# Altium PCB PCB1.pcbdoc (part 3 of 3)
Units mil, origin at the board's own origin, x right, y up, seen from the top; angles counter-clockwise.
Board outline 13400.91 x 6761.77 mil, 2 copper layers (Top Layer, Bottom Layer); 395 components, 233 nets, 925 pads, 452 vias.
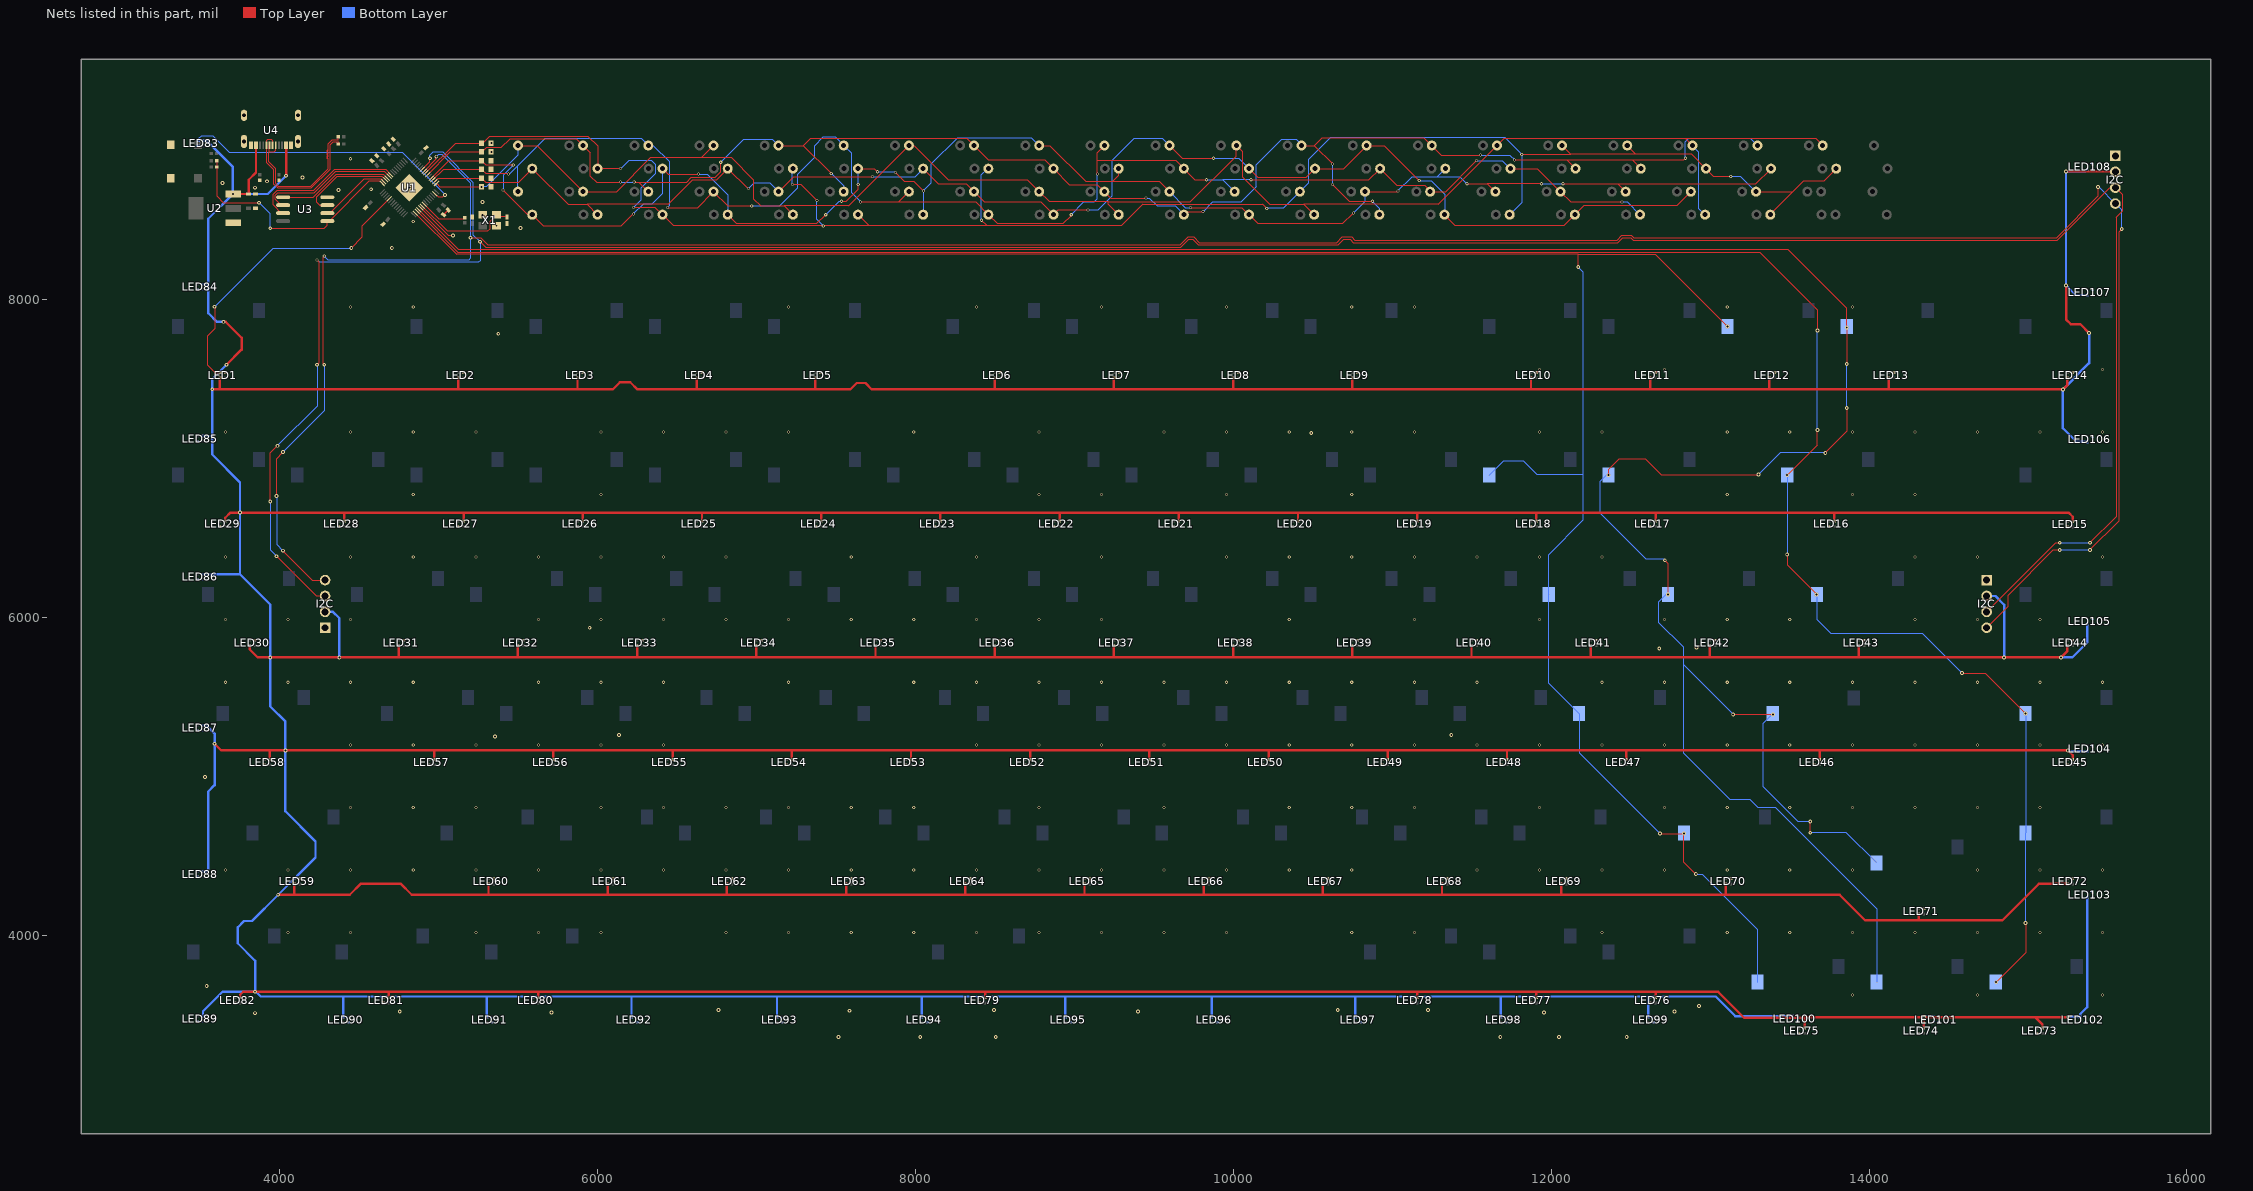
[diagram p3: the nets of this part, all layers, seen from the top]

## Via types
v1: diameter 19.68, hole 11.81, Top Layer to Bottom Layer, 279 vias
v2: diameter 24.02, hole 12.01, Top Layer to Bottom Layer, 172 vias
v3: diameter 24.02, hole 11.81, Top Layer to Bottom Layer, 1 vias

## Nets (pads, with @x,y where several pads share a name; then routed paths per layer and width w, separated by ;. In a path a pad name is that pad's centre, name@x,y a point inside that pad or via, vN(x,y) a via of type N, cw(c..) or ccw(c..) an arc to the next point about the centre after c; other vN are vias at no path point) (continued)
C12: SW13.1 SW26.1 SW40.1 SW53.1 SW67.1 SW82.1 U1.16 | length 14570.3
  Top Layer w5: U1.16@4852.58,8542.71 5112.5,8282.79 12169.48,8282.79 ; v2(12170,8202.79) 12170,8282.27 12169.48,8282.79 ; v2(12685,4638.73) v2(12835,4638.73) 12835,4458.73 v2(12910,4383.73) ; v2(13110,7828.73) 12655.94,8282.79 12169.48,8282.79
  Bottom Layer w5: SW26.1@11610.08,6893.73 11700.08,6983.73 11825,6983.73 11910,6898.73 12199.72,6898.73 12200,6899.01 ; SW40.1@11985.08,6143.73 SW40.1@11980,6148.81 ; v2(12170,8202.79) 12200,8172.79 12200,6899.01 ; v2(12685,4638.73) 12175.08,5148.65 SW53.1@12175.08,5393.73 11980,5588.81 SW40.1@11980,6148.81 ; v2(12835,4638.73) 12835.08,4638.81 SW67.1@12835.08,4643.73 ; v2(12910,4383.73) 12950,4383.73 13297.39,4036.35 SW82.1@13297.39,3703.73 SW82.1@13300,3703.73 ; SW40.1@11980,6148.81 11980,6388.73 12200,6608.73 12200,6899.01
C13: SW14.1 SW27.1 SW41.1 SW54.1 SW68.1 SW80.1 U1.18 | length 18072
  Top Layer w5: U1.18@4874.86,8564.98 5127.05,8312.79 13490.94,8312.79 13860,7943.73 v2(13860,7823.73) v2(13860,7593.73) ; v2(12360,6893.73) 12360,6928.73 12425,6993.73 12595,6993.73 12695,6893.73 13300,6893.73 v2(13305,6898.73) ; v2(12715,6358.73) 12735,6338.73 v2(12735,6143.73) ; v2(13145,5388.73) v2(13395,5388.73) ; v2(13630,4643.73) v2(13630,4713.73) ; v2(13725,7033.73) 13860,7168.73 v2(13860,7317.02)
  Bottom Layer w5: v2(12360,6893.73) 12345,6893.73 12305,6853.73 12305,6658.73 12595,6368.73 12705,6368.73 v2(12715,6358.73) ; v2(12735,6143.73) 12725,6143.73 12675,6093.73 12675,5968.73 12830,5813.73 12830,5703.73 ; v2(13145,5388.73) 12830,5703.73 ; v2(13305,6898.73) 13440,7033.73 v2(13725,7033.73) ; v2(13395,5388.73) 13395,5391.61 SW54.1@13393.61,5393 13335,5334.39 13335,4933.73 13555,4713.73 v2(13630,4713.73) ; v2(13630,4643.73) 13857.64,4643.73 SW68.1@14047.64,4453.73 ; v2(13860,7317.02) v2(13860,7593.73) ; SW80.1@14047.47,3703.73 14047.47,4166.26 13410,4803.73 13300,4803.73 13250,4853.73 13125,4853.73 12830,5148.73 12830,5703.73
C14: SW28.1 SW42.1 SW55.1 SW69.1 SW81.1 U1.17 | length 14501.8
  Top Layer w5: U1.17@4863.72,8553.84 5119.77,8297.79 13310.94,8297.79 13675,7933.73 v2(13675,7804.56) ; v2(13485,6394.05) 13485,6328.73 v2(13670,6143.73) ; v2(13485,6893.73) 13675,7083.73 v2(13675,7178.06) ; v2(14585,5648.73) 14730,5648.73 v2(14985,5393.73) ; v2(14800,3703.73) 14985.08,3888.81 v2(14985.08,4075.08)
  Bottom Layer w5: v2(13485,6394.05) 13485.08,6394.13 SW28.1@13485.08,6893.73 v2(13485,6893.73) ; SW42.1@13672.28,6143.3 13671.85,6143.73 v2(13670,6143.73) 13670,5988.73 13760,5898.73 14335,5898.73 v2(14585,5648.73) ; v2(13675,7178.06) v2(13675,7804.56) ; SW81.1@14797.39,3703.73 v2(14800,3703.73) ; v2(14985.08,4075.08) SW69.1@14985.08,4643.73 SW55.1@14985.08,5393.73
DINPKRGB: LED1.4 U1.5 | length 1903.9
  Top Layer w5: v2(3590,7953.73) 3590,7813.73 3545,7768.73 3545,7588.73 3595,7538.73 3621.54,7538.73 LED1.4@3623.27,7540.46 ; v2(4450,8322.79) 4520,8392.79 4520,8463.47 U1.5@4688.33,8631.8
  Bottom Layer w5: v2(3590,7953.73) 3959.06,8322.79 v2(4450,8322.79)
DINUGRGB: LED83.4 U1.27 | length 1802.4
  Top Layer w5: U1.27@4975.07,8665.2 4995.67,8644.6 5026.81,8644.6 v2(5040,8657.79)
  Bottom Layer w5: LED83.4@3488.27,8999.52 3488.27,9011.06 3505,9027.79 3580,9027.79 3684.49,8923.3 4774.49,8923.3 v2(5040,8657.79)
DN: R14.2 U4.A7 U4.B7 | length 1001.9
  Top Layer w5: U4.A7@3935.16,8969.24 3935,8969.08 3935,8929.12 ; U4.B7@3974.53,8969.24 3974.53,8938.26 3965.39,8929.12 3935,8929.12 ; R14.2@4367.96,9022.79 4367.96,9005.54 4366.19,9003.77 4330.45,9003.77 4305,8978.32 4305,8942.56 cw(c4300,8942.56) 4300,8937.56 ccw(c4300,8932.56) 4300,8927.56 cw(c4300,8922.56) 4300,8917.56 ccw(c4300,8912.56) 4300,8907.56 cw(c4300,8902.56) 4300,8897.56 ccw(c4300,8892.56) 4300,8887.56 cw(c4300,8882.56) 4305,8882.56 4305,8822.79 4195,8712.79 3990.94,8712.79 3970.18,8733.56 3970.18,8824.09 3926.47,8867.79 3926.47,8920.59 3935,8929.12
DP: R13.2 U4.A6 U4.B6 | length 1007.2
  Top Layer w5: U4.A6@3954.84,8969.24 3954.84,8998.89 3950,9003.73 3920,9003.73 3915,8998.73 3915,8969.72 U4.B6@3915.47,8969.24 3915.47,8863.26 3959.19,8819.54 3959.19,8729.01 3986.4,8701.8 4199.55,8701.8 4315.98,8818.24 4315.98,8973.77 4335,8992.79 4366.19,8992.79 4367.96,8991.02 R13.2@4367.96,8977.79
GND: BOOTSEL.1 C16.2 C17.1 C18.2 C19.2 C20.1 C21.1 C22.1 C23.1 C25.1 C26.1 C27.1 C28.1 C31.1 C32.1 I2C.1 LED1.3 LED2.3 LED3.3 LED4.3 LED5.3 LED6.3 LED7.3 LED8.3 LED9.3 LED10.3 LED11.3 LED12.3 LED13.3 LED14.3 LED15.3 LED16.3 LED17.3 LED18.3 LED19.3 LED20.3 LED21.3 LED22.3 LED23.3 LED24.3 LED25.3 LED26.3 LED27.3 LED28.3 LED29.3 LED30.3 LED31.3 LED32.3 LED33.3 LED34.3 LED35.3 LED36.3 LED37.3 LED38.3 LED39.3 LED40.3 LED41.3 LED42.3 LED43.3 LED44.3 LED45.3 LED46.3 LED47.3 LED48.3 LED49.3 LED50.3 LED51.3 LED52.3 LED53.3 LED54.3 LED55.3 LED56.3 LED57.3 LED58.3 LED59.3 LED60.3 LED61.3 LED62.3 LED63.3 LED64.3 LED65.3 LED66.3 LED67.3 LED68.3 LED69.3 LED70.3 LED71.3 LED72.3 LED73.3 LED74.3 LED75.3 LED76.3 LED77.3 LED78.3 LED79.3 LED80.3 LED81.3 LED82.3 LED83.3 LED84.3 LED85.3 LED86.3 LED87.3 LED88.3 LED89.3 LED90.3 LED91.3 LED92.3 LED93.3 LED94.3 LED95.3 LED96.3 LED97.3 LED98.3 LED99.3 LED100.3 LED101.3 LED102.3 LED103.3 LED104.3 LED105.3 LED106.3 LED107.3 LED108.3 R6.1 R8.1 R9.1 R10.1 R11.1 R12.1 R21.1 R22.1 RST.1 U1.19 U1.57 U2.1 U3.4 U4.1 U4.2 U4.3 U4.4 U4.A1B12 U4.B1A12 X1.2 X1.4 | length 318.2
  Top Layer w5: U1.19@4885.99,8576.12 5059.32,8402.79 v2(5090,8402.79)
  Top Layer w10: C28.1@5030.17,8532.61 C32.1@5060.17,8562.61
  other v1: 13894.92,3622.43 14682.32,3622.43 15469.72,3622.43 4052.4,4016.14 4446.1,4016.14 5233.5,4016.14 5627.2,4016.14 6020.91,4016.14 6808.31,4016.14 7202.01,4016.14 7595.71,4016.14 7989.41,4016.14 8383.11,4016.14 8776.81,4016.14 9170.51,4016.14 9564.21,4016.14 9957.91,4016.14 10745.32,4016.14 11139.02,4016.14 12320.12,4016.14 13107.52,4016.14 13501.22,4016.14 13894.92,4016.14 14288.62,4016.14 14682.32,4016.14 15076.02,4016.14 15469.72,4016.14 3658.7,4409.84 4052.4,4409.84 4446.1,4409.84 4839.8,4409.84 5233.5,4409.84 5627.2,4409.84 6020.91,4409.84 6414.61,4409.84 6808.31,4409.84 7202.01,4409.84 7595.71,4409.84 7989.41,4409.84 8383.11,4409.84 8776.81,4409.84 9170.51,4409.84 9564.21,4409.84 9957.91,4409.84 10351.61,4409.84 10745.32,4409.84 11532.72,4409.84 11926.42,4409.84 12320.12,4409.84 12713.82,4409.84 13107.52,4409.84 13501.22,4409.84 13894.92,4409.84 14682.32,4409.84 15076.02,4409.84 15469.72,4409.84 4446.1,4803.54 4839.8,4803.54 5233.5,4803.54 6020.91,4803.54 6414.61,4803.54 6808.31,4803.54 7202.01,4803.54 7595.71,4803.54 7989.41,4803.54 8776.81,4803.54 9564.21,4803.54 10351.61,4803.54 10745.32,4803.54 11139.02,4803.54 11926.42,4803.54 12713.82,4803.54 13107.52,4803.54 13501.22,4803.54 13894.92,4803.54 14288.62,4803.54 14682.32,4803.54 15076.02,4803.54 4446.1,5197.24 4839.8,5197.24 5233.5,5197.24 5627.2,5197.24 6020.91,5197.24 6414.61,5197.24 8383.11,5197.24 8776.81,5197.24 9170.51,5197.24 9564.21,5197.24 9957.91,5197.24 10351.61,5197.24 10745.32,5197.24 11139.02,5197.24 11532.72,5197.24 11926.42,5197.24 12320.12,5197.24 12713.82,5197.24 13107.52,5197.24 13501.22,5197.24 13894.92,5197.24 14288.62,5197.24 14682.32,5197.24 15076.02,5197.24 15469.72,5197.24 3658.7,5590.94 4052.4,5590.94 4446.1,5590.94 4839.8,5590.94 5627.2,5590.94 6020.91,5590.94 6414.61,5590.94 7202.01,5590.94 7989.41,5590.94 8383.11,5590.94 8776.81,5590.94 9170.51,5590.94 9564.21,5590.94 9957.91,5590.94 10351.61,5590.94 10745.32,5590.94 11139.02,5590.94 11532.72,5590.94 12320.12,5590.94 12713.82,5590.94 13107.52,5590.94 13501.22,5590.94 13894.92,5590.94 14288.62,5590.94 14682.32,5590.94 15076.02,5590.94 15469.72,5590.94 3658.7,5984.64 4052.4,5984.64 4446.1,5984.64 5627.2,5984.64 6020.91,5984.64 6414.61,5984.64 6808.31,5984.64 7202.01,5984.64 7595.71,5984.64 7989.41,5984.64 8383.11,5984.64 8776.81,5984.64 9170.51,5984.64 10351.61,5984.64 11139.02,5984.64 11926.42,5984.64 12713.82,5984.64 13107.52,5984.64 13501.22,5984.64 14288.62,5984.64 14682.32,5984.64 15076.02,5984.64 15469.72,5984.64 3658.7,6378.34 4446.1,6378.34 4839.8,6378.34 5233.5,6378.34 5627.2,6378.34 6020.91,6378.34 6414.61,6378.34 6808.31,6378.34 7595.71,6378.34 8383.11,6378.34 9170.51,6378.34 9957.91,6378.34 10351.61,6378.34 10745.32,6378.34 11139.02,6378.34 11532.72,6378.34 11926.42,6378.34 12320.12,6378.34 14288.62,6378.34 14682.32,6378.34 15469.72,6378.34 4839.8,6772.04 6020.91,6772.04 8776.81,6772.04 9170.51,6772.04 9957.91,6772.04 10745.32,6772.04 13107.52,6772.04 13894.92,6772.04 14288.62,6772.04 3658.7,7165.74 4446.1,7165.74 4839.8,7165.74 5233.5,7165.74 6020.91,7165.74 6414.61,7165.74 6808.31,7165.74 7202.01,7165.74 7989.41,7165.74 8776.81,7165.74 9564.21,7165.74 9957.91,7165.74 10351.61,7165.74 10745.32,7165.74 11139.02,7165.74 11926.42,7165.74 12320.12,7165.74 13107.52,7165.74 13501.22,7165.74 13894.92,7165.74 14288.62,7165.74 14682.32,7165.74 15076.02,7165.74 15469.72,7165.74 11926.42,7559.44 12713.82,7559.44 15469.72,7559.44 4446.1,7953.14 4839.8,7953.14 7202.01,7953.14 8383.11,7953.14 9170.51,7953.14 9957.91,7953.14 10745.32,7953.14 11139.02,7953.14 13107.52,7953.14 13894.92,7953.14 4839.8,8490.9 4446.1,8884.6
  other v2: 7515,3358.73 8030,3358.73 8505,3358.73 11680,3358.73 12050,3358.73 12475,3358.73 3845,3508.73 5710,3513.73 11955,3513.73 4755,3518.73 9400,3518.73 12775,3518.73 7585,3523.73 6760,3528.73 8495,3528.73 10657.25,3528.73 11225,3528.73 12930,3553.73 3540,3678.73 3530,4993.73 5355,5248.73 6135,5258.73 11371.49,5258.73 12680,5803.73 12913.47,5808.73 5950,5933.73 10490,7158.73 5375,7783.73 4705,8322.79 5515,8448.73 5363.31,8463.34 5276.69,8532.24 5275,8613.73 4370,8687.79 4575,8692.79 3845,8702.79 4815,8702.79 3640,8732.79 3920,8742.79 4142.85,8767.79 5331.5,8927.79 5331.5,8982.79
QSPI_SCLK: U1.52 U3.6 | length 882
  Top Layer w5: U3.6@4021.02,8592.79 4009.57,8592.79 3968.23,8634.13 3968.23,8651.45 3984.57,8667.79 4215,8667.79 4350,8802.79 4659.32,8802.79 U1.52@4688.34,8773.78
QSPI_SD0: U1.53 U3.5 | length 726.7
  Top Layer w5: U3.5@4021.02,8642.79 4210,8642.79 4355,8787.79 4652.05,8787.79 U1.53@4677.2,8762.64
QSPI_SD1: U1.55 U3.2 | length 452.2
  Top Layer w5: U3.2@4298.98,8542.79 4315,8542.79 4530,8757.79 4637.5,8757.79 U1.55@4654.93,8740.36
QSPI_SD2: U1.54 U3.3 | length 606
  Top Layer w5: U3.3@4298.98,8592.79 4250,8592.79 4230,8612.79 4230,8642.79 4360,8772.79 4644.77,8772.79 U1.54@4666.06,8751.5
QSPI_SD3: U1.51 U3.7 | length 971.6
  Top Layer w5: U3.7@4021.02,8542.79 4009.57,8542.79 3955,8597.36 3955,8657.79 3980,8682.79 4210,8682.79 4342.81,8815.6 4668.78,8815.6 U1.51@4699.47,8784.91
QSPI_SS: R16.2 R17.1 U1.56 U3.1 | length 1544.5
  Top Layer w5: R16.2@3602.04,8872.79 R17.1@3602.04,8832.79 3602.04,8650.75 3645,8607.79 v2(3870,8607.79) ; v2(3940,8447.79) 4280,8447.79 4300,8467.79 4300,8491.77 U3.1@4298.98,8492.79 4310.43,8492.79 4560.43,8742.79 4630.24,8742.79 U1.56@4643.8,8729.23
  Bottom Layer w5: v2(3870,8607.79) 3940,8537.79 v2(3940,8447.79)
R1: D1.1 D7.1 D13.1 D20.1 D25.1 D35.1 D40.1 D45.1 D52.1 D61.1 D73.1 D76.1 D81.1 R6.2 U1.29 | length 11122.8
  Top Layer w5: U1.29@4986.22,8729.23 5007.66,8707.79 v1(5270,8707.79) R6.2@5270.34,8707.79 ; D1.1@5498.58,8967.79 5618.58,8967.79 D7.1@5908.58,8677.79 6119.86,8677.79 6334.86,8892.79 6653.58,8892.79 ; D13.1@6728.58,8967.79 6653.58,8892.79 ; D20.1@7228.58,8532.79 7173.58,8587.79 ; D40.1@9278.58,8532.79 9213.58,8597.79 9213.58,8612.79 ; D52.1@10508.58,8532.79 10443.58,8597.79 ; D73.1@12888.58,8967.79 12843.58,9012.79 ; D81.1@13708.58,8967.79 13663.58,9012.79 12843.58,9012.79 ; 6653.58,8892.79 6840.37,8892.79 6980,8753.16 6980,8632.79 7025,8587.79 7173.58,8587.79 ; 7173.58,8587.79 7578.58,8587.79 D25.1@7958.58,8967.79 7992.57,8967.79 8207.58,8752.79 8703.58,8752.79 D35.1@8778.58,8677.79 8843.58,8612.79 9213.58,8612.79 ; 9213.58,8612.79 9730,8612.79 10018.58,8901.37 D45.1@10018.58,8967.79 10055,8931.37 10055,8772.79 10230,8597.79 10443.58,8597.79 ; 10443.58,8597.79 11288.58,8597.79 D61.1@11658.58,8967.79 11703.58,9012.79 12843.58,9012.79
  Bottom Layer w5: v1(5270,8707.79) 5300,8707.79 5498.58,8906.37 D1.1@5498.58,8967.79 ; D73.1@12888.58,8967.79 12930,8926.37 12930,8571.37 D76.1@12968.58,8532.79
R2: D2.1 D8.1 D14.1 D19.1 D26.1 D31.1 D36.1 D41.1 D46.1 D50.1 D53.1 D60.1 D68.1 D75.1 R8.2 U1.30 | length 9396.5
  Top Layer w5: U1.30@4975.08,8740.37 4997.5,8762.79 R8.2@5270.34,8762.79 ; R8.2@5270.23,8762.18 5297.83,8734.57 5500.36,8734.57 D2.1@5588.58,8822.79 5813.58,8597.79 5933.58,8597.79 ; D8.1@5998.58,8532.79 5933.58,8597.79 ; v1(6950,8697.79) 6943.58,8697.79 D14.1@6818.58,8822.79 6748.58,8752.79 6600,8752.79 6445,8597.79 5933.58,8597.79 ; D19.1@7138.58,8677.79 7233.58,8772.79 v1(7730,8772.79) ; D26.1@8048.58,8822.79 8143.58,8727.79 8318.58,8727.79 D31.1@8368.58,8677.79 8433.58,8612.79 8788.58,8612.79 D36.1@8868.58,8532.79 8898.58,8562.79 v1(9085,8562.79) ; D41.1@9598.58,8967.79 9678.58,8887.79 v1(9875,8887.79) ; D46.1@10098.58,8822.79 10153.58,8767.79 10460,8767.79 10513.58,8821.37 D50.1@10513.58,8822.79 10693.58,8822.79 D53.1@10838.58,8967.79 10950,8967.79 v1(11170,8747.79) ; D60.1@11328.58,8532.79 11393.58,8467.79 12083.58,8467.79 D68.1@12148.58,8532.79 12208.58,8592.79 12793.58,8592.79 D75.1@12878.58,8677.79
  Bottom Layer w5: v1(6950,8697.79) 6985,8732.79 7083.58,8732.79 D19.1@7138.58,8677.79 ; v1(7730,8772.79) 7998.58,8772.79 D26.1@8048.58,8822.79 ; v1(9085,8562.79) 9150,8562.79 9235,8647.79 9235,8872.79 9375,9012.79 9553.58,9012.79 D41.1@9598.58,8967.79 ; v1(9875,8887.79) 10033.58,8887.79 D46.1@10098.58,8822.79 ; v1(11170,8747.79) 11245,8747.79 11330,8662.79 11330,8534.21 D60.1@11328.58,8532.79
R3: D3.1 D9.1 D15.1 D21.1 D27.1 D32.1 D37.1 D42.1 D47.1 D54.1 D59.1 D62.1 D67.1 D72.1 R9.2 U1.31 | length 9960.6
  Top Layer w5: U1.31@4963.94,8751.51 5030.23,8817.79 R9.2@5270.34,8817.79 ; R9.2@5271.66,8816.43 5298.31,8789.79 5438,8789.79 v1(5440,8787.79) ; v1(6440,8577.79) 6628.58,8577.79 D15.1@6728.58,8677.79 6818.58,8587.79 v1(6970,8587.79) ; v1(7655,8612.79) 7893.58,8612.79 ; D27.1@7958.58,8677.79 7893.58,8612.79 ; v1(8980,8532.79) 8980,8527.79 8930,8477.79 8513.58,8477.79 D32.1@8458.58,8532.79 8378.58,8612.79 7893.58,8612.79 ; v1(9145,8787.79) 9145,8874.5 ; D37.1@9188.58,8967.79 9145,8924.21 9145,8874.5 ; v1(9830,8752.79) 9758.58,8752.79 D42.1@9688.58,8822.79 9636.87,8874.5 9145,8874.5 ; v1(10110,8752.79) 10853.58,8752.79 D54.1@10923.58,8822.79 11028.58,8717.79 11205,8717.79 11238.58,8684.21 D59.1@11238.58,8677.79 11335,8677.79 v1(11530,8872.79) ; D62.1@11743.58,8822.79 11913.58,8822.79 D67.1@12058.58,8677.79 12123.58,8612.79 v1(12445,8612.79)
  Bottom Layer w5: v1(5440,8787.79) 5445,8787.79 5498.58,8841.37 ; D3.1@5498.58,8677.79 5498.58,8841.37 ; v1(6440,8577.79) 6450,8587.79 6450,8867.79 6350,8967.79 D9.1@6318.58,8967.79 6273.58,9012.79 5670,9012.79 5498.58,8841.37 ; v1(6970,8587.79) 7145,8587.79 7260,8702.79 7260,8787.79 7365,8892.79 7365,8967.79 7420,9022.79 7493.58,9022.79 D21.1@7548.58,8967.79 7595,8921.37 7595,8672.79 v1(7655,8612.79) ; v1(8980,8532.79) 9060,8612.79 9125,8612.79 9145,8632.79 v1(9145,8787.79) ; v1(9830,8752.79) 9933.58,8752.79 ; D47.1@10008.58,8677.79 9933.58,8752.79 ; v1(10110,8752.79) 9933.58,8752.79 ; v1(11530,8872.79) 11693.58,8872.79 D62.1@11743.58,8822.79 ; v1(12445,8612.79) 12478.58,8612.79 D72.1@12558.58,8532.79
R4: D4.1 D10.1 D16.1 D22.1 D28.1 D33.1 D38.1 D43.1 D48.1 D55.1 D58.1 D63.1 D71.1 D78.1 R10.2 U1.32 | length 10673.8
  Top Layer w5: U1.32@4952.81,8762.65 5062.95,8872.79 R10.2@5270.34,8872.79 ; R10.2@5271.38,8871.96 5298.22,8845.12 v1(5468.69,8845.14) ; v1(5405,8687.79) 5560,8532.79 D4.1@5588.58,8532.79 5658.58,8462.79 6150,8462.79 v1(6225,8537.79) ; D10.1@6408.58,8822.79 6443.58,8787.79 v1(6635,8787.79) ; D16.1@6818.58,8532.79 6873.58,8477.79 7380,8477.79 v1(7435,8532.79) ; v1(7535,8617.79) 7565,8617.79 7640,8692.79 v1(7640,8722.79) ; D22.1@7638.58,8822.79 7740,8822.79 v1(7760,8802.79) ; v1(7875,8797.79) 7930,8742.79 7990,8742.79 v1(8050,8682.79) ; D33.1@8778.58,8967.79 8845,8967.79 9070,8742.79 9240,8742.79 ; D38.1@9278.58,8822.79 9278.58,8781.37 9240,8742.79 ; D43.1@9598.58,8677.79 9533.58,8742.79 9240,8742.79 ; v1(9730,8577.79) 10053.58,8577.79 D48.1@10098.58,8532.79 10153.58,8477.79 10690,8477.79 v1(10755,8542.79) ; D55.1@10828.58,8677.79 11030,8677.79 v1(11035,8682.79) ; v1(11470,8727.79) 11598.58,8727.79 ; D63.1@11648.58,8677.79 11598.58,8727.79 ; v1(11940,8727.79) 11598.58,8727.79 ; v1(12075,8727.79) 12418.58,8727.79 ; D71.1@12468.58,8677.79 12418.58,8727.79 ; D78.1@13383.58,8822.79 13288.58,8727.79 12418.58,8727.79
  Bottom Layer w5: v1(5405,8687.79) 5405,8781.45 v1(5468.69,8845.14) ; v1(6225,8537.79) 6290,8602.79 6345,8602.79 6410,8667.79 6410,8821.37 D10.1@6408.58,8822.79 ; v1(6635,8787.79) 6690,8787.79 6820,8657.79 6820,8534.21 D16.1@6818.58,8532.79 ; v1(7435,8532.79) 7520,8617.79 v1(7535,8617.79) ; D22.1@7638.58,8822.79 7640,8821.37 v1(7640,8722.79) ; v1(7760,8802.79) 7870,8802.79 v1(7875,8797.79) ; D28.1@8048.58,8532.79 8050,8534.21 v1(8050,8682.79) 8100,8732.79 8100,8852.79 8265,9017.79 8728.58,9017.79 D33.1@8778.58,8967.79 ; D43.1@9598.58,8677.79 9698.58,8577.79 v1(9730,8577.79) ; v1(10755,8542.79) 10828.58,8616.37 D55.1@10828.58,8677.79 ; v1(11035,8682.79) 11125,8772.79 11283.58,8772.79 ; D58.1@11333.58,8822.79 11283.58,8772.79 ; v1(11470,8727.79) 11425,8772.79 11283.58,8772.79 ; v1(11940,8727.79) v1(12075,8727.79)
R5: D5.1 D11.1 D17.1 D23.1 D29.1 D34.1 D39.1 D44.1 D49.1 D56.1 D57.1 D66.1 D70.1 D77.1 R11.2 U1.34 | length 10884.9
  Top Layer w5: U1.34@4930.54,8784.91 5073.42,8927.79 R11.2@5270.34,8927.79 ; R11.2@5268.67,8922.52 5301.95,8955.81 5393.21,8955.81 5449.19,9011.79 5865.59,9011.79 D5.1@5909.5,8967.89 ; D5.1@5908.58,8967.79 5955,8921.37 5955,8776 5993.21,8737.79 v1(6145,8737.79) ; v1(6230,8737.79) 6258.58,8737.79 ; D11.1@6318.58,8677.79 6258.58,8737.79 ; v1(6775,8862.79) 6775,8802.79 6740,8767.79 6590,8767.79 6560,8737.79 6258.58,8737.79 ; D17.1@7138.58,8967.79 7295,8967.79 ; v1(7470,8792.79) 7295,8967.79 ; v1(9450,8637.79) 9228.58,8637.79 D39.1@9188.58,8677.79 9143.58,8722.79 8968.58,8722.79 D34.1@8868.58,8822.79 8813.58,8877.79 8458.58,8877.79 D29.1@8368.58,8967.79 8323.58,9012.79 7340,9012.79 7295,8967.79 ; D44.1@9688.58,8532.79 9708.58,8552.79 v1(9810,8552.79) ; D49.1@10428.58,8967.79 10510,8967.79 ; v1(10625,8722.79) 10730,8617.79 v1(10875,8617.79) ; v1(10625,8852.79) 10510,8967.79 ; v1(11555,8907.79) 11308.58,8907.79 D57.1@11248.58,8967.79 11198.58,9017.79 10560,9017.79 10510,8967.79 ; v1(11770,8877.79) 12098.58,8877.79 ; D66.1@12153.58,8822.79 12098.58,8877.79 ; D70.1@12563.58,8822.79 12508.58,8877.79 ; v1(12845,8887.79) 12835,8877.79 12508.58,8877.79 ; 12098.58,8877.79 12508.58,8877.79